# Altium PCB BC2087.PcbDoc (part 4 of 6) (continued)
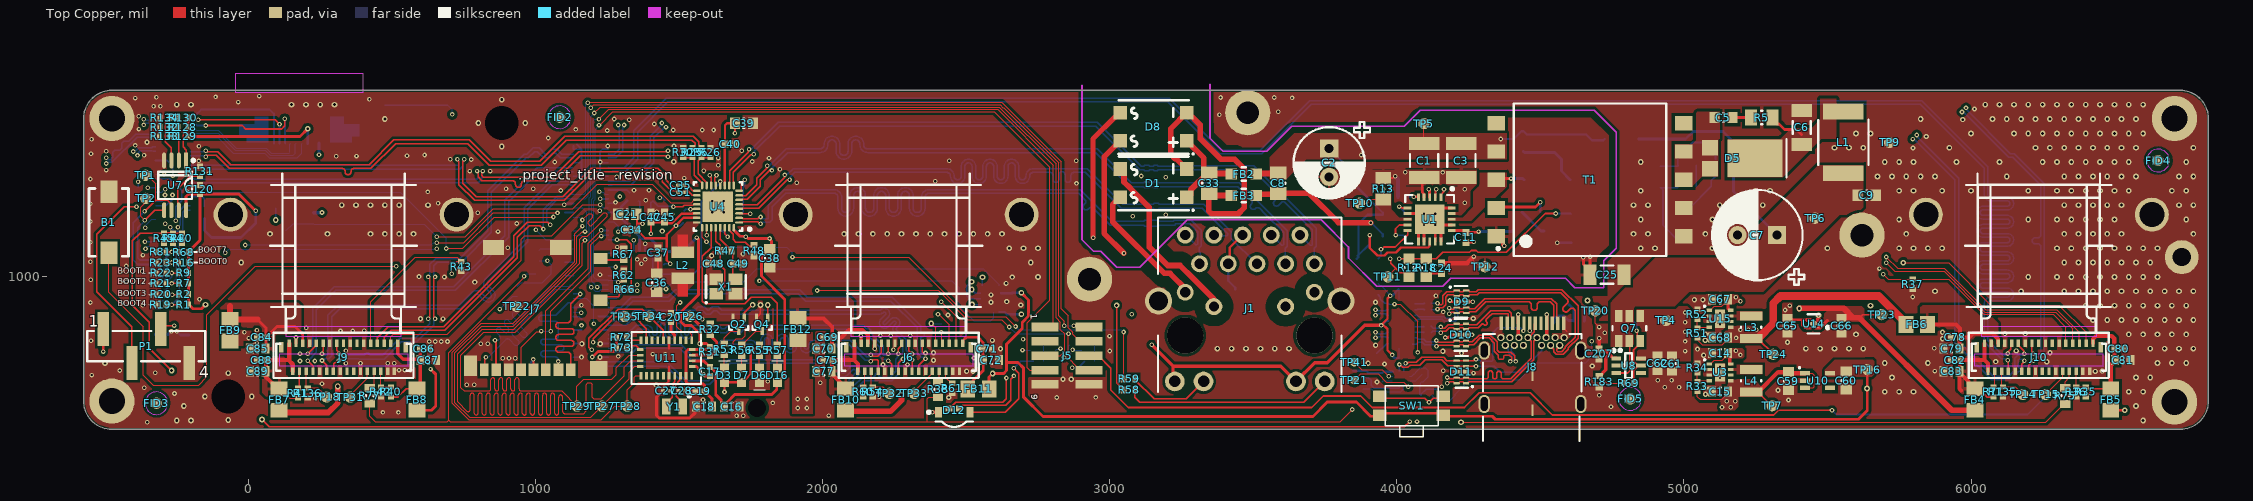
[diagram p0: Top Copper view]
## Nets (pads, with @x,y where several pads share a name; then routed paths per layer and width w, separated by ;. In a path a pad name is that pad's centre, name@x,y a point inside that pad or via, vN(x,y) a via of type N, cw(c..) or ccw(c..) an arc to the next point about the centre after c; other vN are vias at no path point) (continued)
MIPI_RX5_D0_P: J2.23 J6.17 | length 1335.6
  Top Copper w5.12: J6.17@2299.06,768.34 2299.06,743.44 v3(2311,731.5)
  Bottom Copper w5.12: J2.23@1252.95,846.46 1253.94,845.47 1266.14,845.47 1266.64,844.97 1283.5,844.97 1308.9,844.97 1347.3,883.36 1548,883.36 1554.31,883.36 1566.31,895.36 1586.9,895.36 1598.9,883.36 1603.6,883.36 1615.6,895.36 1636.2,895.36 1648.2,883.36 1686.4,883.36 2197.84,883.36 ccw(c2197.84,888.88) 2201.74,884.98 cw(c2214.68,872.04) 2227.62,884.98 cw(c2214.68,872.04) 2227.62,859.1 2211.97,843.44 ccw(c2215.84,839.52) 2211.93,835.64 ; 2211.96,835.61 ccw(c2215.84,839.52) 2219.74,835.63 2237.23,853.12 cw(c2250.18,840.18) 2263.12,853.12 cw(c2250.18,840.18) 2264.99,829.43 2264.99,829.11 2258.09,822.21 ccw(c2261.99,818.32) 2258.09,814.42 2281.27,791.25 2291.12,781.39 2291.12,744.54 2308.33,727.33 2311,730 v3(2311,731.5)
MIPI_RX5_D1_N: J2.27 J6.14 | length 1332.2
  Top Copper w5.12: J6.14@2334.79,671.88 2334.79,692.83 2357.05,715.1 v3(2358,715.1)
  Bottom Copper w5.12: J2.27@1252.95,877.95 1253.94,878.94 1266.14,878.94 1266.71,879.51 1302.34,879.51 1338.68,915.85 1465.85,915.85 1491.96,941.96 1914.96,941.96 1941.06,915.85 2237.71,915.85 2328.53,825.03 2328.53,734.01 2342.73,719.81 2353.29,719.81 v3(2358,715.1)
MIPI_RX5_D1_P: J2.29 J6.13 | length 1335.7
  Top Copper w5.12: J6.13@2346.31,768.34 2346.31,738.34 2349.57,735.08 v3(2358,735.08)
  Bottom Copper w5.12: J2.29@1252.95,893.7 1253.94,892.72 1266.14,892.72 1266.56,892.3 1297.04,892.3 1333.39,928.64 1460.55,928.64 1486.66,954.75 1920.25,954.75 1946.36,928.64 2243.01,928.64 2341.32,830.33 2341.32,813.98 2341.32,811.42 ccw(c2347.81,811.42) 2347.81,804.92 2348.03,804.92 cw(c2348.03,798.42) 2354.52,798.42 cw(c2348.03,798.42) 2348.03,791.93 2347.81,791.93 ccw(c2347.81,785.43) 2341.32,785.43 2341.32,771.65 ; 2341.32,771.17 2341.32,739.31 2348.03,732.6 2355.52,732.6 v3(2358,735.08)
MODULE_nRST: B1.2 J2.39 J5.1 Q4.1 | length 6078.9
  Top Copper w4.02: B1.2@-487,1084 -487,945.99 -367,825.99 -367,657.87 -331.78,622.64 -174.36,622.64 -145.18,651.82 -145.18,867.82 24,1037 v3(514,1037) ; v3(1220.41,1548.98) 1254.74,1583.31 2609.6,1583.31 2803.15,1389.76 2803.15,838.35 2790.2,825.39 J5.1@2774.61,825.39
  Top Copper w5: Q4.1@1808.68,859.02 v6(1808.68,902.07)
  Signal Layer 2 w4.02: v3(514,1037) 546,1069 940,1069 960.43,1089.43 1089.7,1089.43 v3(1214.57,964.57) 1243.13,936 1365,936 1374,945 1374,967 1395,988 1538.81,988 1604.81,922 1788.75,922 v6(1808.68,902.07)
  Bottom Copper w4.02: v3(1220.41,1548.98) 1205.17,1548.98 1200.07,1543.88 1200.07,1275.07 1194.74,1269.74 1194.74,984.39 v3(1214.57,964.57) 1217.81,964.57 1225.68,972.44 J2.39@1252.95,972.44
NetC4_1: C4.1 D4.1 R4.1 | length 227.5
  Bottom Copper w9.84: C4.1@4440.52,1437.01 4444.45,1433.07 4549.77,1433.07 4573.12,1409.72 4573.12,1368.66 D4.1@4603.19,1338.58
NetC5_1: C5.1 R5.1 | length 65
  Top Copper w9.84: C5.1@5169.29,1555.12 R5.1@5234.25,1555.12
NetC6_2: C6.2 D5.1 L1.1 R5.2 | length 128.9
  Top Copper w9.84: R5.2@5309.06,1555.12 5309.06,1548.23 5324.8,1532.48 5331.69,1532.48 5350.39,1513.78 5391.73,1513.78 5409.45,1496.06
NetC23_1: C23.1 U2.2 U5.2 | length 282.5
  Bottom Copper w5.91: U5.2@4917.16,1311.02 U5.2@4919.15,1311.02 ; C23.1@4980.15,1314.96 4976.21,1311.02 U5.2@4919.15,1311.02 ; U2.2@4982.25,1119.29 4982.25,1124.41 4927.03,1179.63 4927.03,1303.15 U5.2@4919.15,1311.02
NetC23_2: C23.2 R17.2 | length 72.8
  Bottom Copper w5.91: C23.2@5043.14,1314.96 R17.2@5043.14,1387.8
NetC24_2: C24.2 R18.1 | length 58.7
  Top Copper w7.87: R18.1@4102.75,1000 4115.22,1012.48 C24.2@4156.26,1012.48
NetC29_1: C29.1 Q8.3 R76.1 R78.2 | length 155.9
  Bottom Copper w10: C29.1@4546.46,840 4547.14,840.68 4547.14,853.91 4557.4,864.17 R78.2@4579.56,864.17 ; R78.2@4581.53,864.17 4585.39,860.32 4597.44,848.26 4615.88,848.26 R76.1@4617.28,846.86 ; Q8.3@4599.4,902.41 4601.37,902.41 4617.28,886.5 R76.1@4617.28,848.83
NetC30_1: C30.1 R76.2 | length 36
  Bottom Copper w10: R76.2@4652.72,846.86 4653.92,848.06 4653.92,880.69 C30.1@4655.11,881.89
NetC50_2: C50.2 J1.4 J1.5 | length 220.7
  Top Copper w7.87: J1.4@3412.6,1045.73 3417.79,1050.92 3417.79,1102.43 3461.09,1145.73 J1.5@3462.6,1145.73
  Bottom Copper w7.87: J1.4@3412.6,1045.73 3412.6,987.01 3437.01,962.6 C50.2@3437.01,956.69
NetD2_2: D2.2 R3.1 | length 104
  Bottom Copper w9.84: R3.1@4435.6,1224.41 4436.58,1225.39 4501.54,1160.43 D2.2@4512.3,1160.43
NetD12_2: D12.2 R65.2 | length 590.3
  Top Copper w5: D12.2@2440.28,541.48 2442.48,541.48 2464,563 2626.54,563 2640,576.46
  Top Copper w5.17: 2640,576.46 v3(2640,648)
  Signal Layer 4 w5.17: v3(2640,648) 2648.24,639.76 2804.41,639.76 2848.51,683.87 v3(2868.91,683.87)
  Bottom Copper w5.17: v3(2868.91,683.87) 2889.57,683.87 2912.4,706.69 R65.2@2913.39,706.69
NetD12_3: D12.3 R64.2 | length 499.8
  Top Copper w5: D12.3@2475.72,541.48 2476.7,541.48 2485.03,549.81 2485.03,550.03 2488,553 2637.5,553 2655,570.5
  Top Copper w5.17: 2655,570.5 2655,644 v3(2666,655)
  Signal Layer 4 w5.17: v3(2666,655) 2776.06,655 v3(2840.52,719.46)
  Bottom Copper w5.17: R64.2@2827.76,706.69 v3(2840.52,719.46)
NetD12_4: D12.4 R63.2 | length 382.9
  Top Copper w5: D12.4@2513.12,528.68 2636.47,528.68 2683,575.22
  Top Copper w5.17: v3(2665,682) 2683,664 2683,575.22
  Bottom Copper w5.17: v3(2665,682) 2689.69,706.69 R63.2@2734.25,706.69
NetJ2_47: J2.47 SW2.2 SW2.4 | length 1261
  Signal Layer 2 w4: v3(709.65,1565.94) 666.34,1522.64 666.34,1349.41 704.72,1311.02 765.75,1311.02 960.5,1116.28 1103.72,1116.28 1185,1035 1277.87,1035 v3(1278.31,1034.56)
  Bottom Copper w4: SW2.2@694.24,1597.46 709.65,1582.06 v3(709.65,1565.94) ; J2.47@1252.95,1035.43 1253.39,1035 1277.87,1035 v3(1278.31,1034.56)
  Bottom Copper w5: SW2.4@473.76,1597.46 SW2.2@694.24,1597.46
NetJ2_56: J2.56 R82.2 | length 121.9
  Bottom Copper w4: R82.2@1012.28,1092.43 1018.27,1098.43 J2.56@1131.69,1098.43
NetJ3_42: J3.42 R83.2 | length 1472.3
  Signal Layer 2 w4: v2(-359,1098) -334,1073 -334,1016 -314,996 -180,996 -87,903 860,903 v2(875,888)
  Bottom Copper w4: v2(-359,1098) -350.7,1106.3 J3.42@-324.02,1106.3 ; v2(875,888) 919.57,932.57 R83.2@936,932.57
NetJ3_64: J3.64 R27.1 | length 63.3
  Bottom Copper w4: R27.1@-386,1276.28 -382.76,1279.53 J3.64@-324.02,1279.53
NetJ6_6: J6.6 R61.1 | length 52.3
  Top Copper w4: J6.6@2429.28,671.88 2429.28,649.47 2449.03,629.72 R61.1@2451,629.72
NetJ6_28: J6.28 R54.1 TP32.1 | length 124.4
  Top Copper w4: R54.1@2173.99,616.89 2209.88,616.89 TP32.1@2232.28,594.49
  Top Copper w4.02: J6.28@2169.44,671.88 2169.44,621.45 R54.1@2173.99,616.89
NetJ6_30: J6.30 R60.2 | length 56.8
  Top Copper w4: R60.2@2141.46,616.89 2145.81,621.25 J6.30@2145.81,671.88
NetJ9_28: J9.28 R136.1 TP18.1 | length 139.5
  Top Copper w4: R136.1@206.21,613.19 240.3,613.19 TP18.1@271.8,581.69
  Top Copper w4.02: J9.28@200.93,671.88 200.93,618.46 R136.1@206.21,613.19
NetJ9_30: J9.30 R41.1 | length 60.6
  Top Copper w5: R41.1@172.6,613.19 177.31,617.9 J9.30@177.31,671.88
NetJ10_28: J10.28 R135.1 TP14.1 | length 137.6
  Top Copper w4: J10.28@6106.44,671.88 6106.44,621.87 R135.1@6111.19,617.13 6154.53,617.13 TP14.1@6181.1,590.55
NetJ10_30: J10.30 R71.1 | length 56.4
  Top Copper w4: R71.1@6078.82,617.13 6082.82,621.12 J10.30@6082.82,671.88
NetL3_1: L3.1 U15.7
NetL4_1: L4.1 U3.7
NetQ2_3: Q2.3 R53.1 | length 79.4
  Top Copper w4: R53.1@1657.48,767.72 1657.48,788.11 1680.35,810.98 Q2.3@1707,810.98
NetQ3_3: Q3.3 R63.1 | length 57.5
  Bottom Copper w4.02: R63.1@2769.68,706.69 2770.67,707.68 Q3.3@2770.67,763.78
NetQ4_3: Q4.3 R56.1 | length 90.9
  Top Copper w4: R56.1@1717.63,763.78 1726.45,772.61 1728.61,772.61 1766.98,810.98 Q4.3@1789,810.98
NetQ5_3: Q5.3 R64.1 | length 61.4
  Bottom Copper w4.02: Q5.3@2859.65,763.78 2856.24,760.38 2856.24,740.07 2863.19,733.13 R64.1@2863.19,706.69
NetQ6_3: Q6.3 R65.1 | length 58.5
  Bottom Copper w4.02: R65.1@2946.85,706.69 2946.85,760.43 Q6.3@2950.2,763.78
NetQ7_3: Q7.3 R69.1 TP17.1 U8.5 | length 281.3
  Top Copper w6: R69.1@4824.8,630.39 4824.8,675.2 U8.5@4840.55,690.94 ; v5(4835.05,812.65) 4835.05,809.95 4837.65,807.35 4837.65,787.35 Q7.3@4847.44,777.56 4847.44,769.49 4824.65,746.69 4824.65,706.85 U8.5@4840.55,690.94 ; U8.5@4850.39,690.94 U8.5@4840.55,690.94
  Bottom Copper w6: TP17.1@4806.1,862.2 4835.05,833.26 v5(4835.05,812.65)
NetR3_2: R3.2 T1.2 | length 192.4
  Top Copper w9.84: T1.2@4347.01,1242.13 4350.95,1242.13 4352.92,1244.09 4483.14,1244.09 4498.89,1259.84 v3(4499.57,1259.84)
  Bottom Copper w9.84: R3.2@4499.57,1227.36 v3(4499.57,1259.84)
NetR14_1: R14.1 R15.2 R17.1 U5.1 | length 304.8
  Bottom Copper w5.91: U5.1@4917.16,1385.83 4978.18,1385.83 R17.1@4980.15,1387.8 4978.97,1388.98 4978.97,1416.34 5031.13,1468.5 R14.1@5110.24,1468.5 R15.2@5110.24,1409.45
NetR24_1: R24.1 U2.1 | length 193.8
  Bottom Copper w5.91: U2.1@4982.25,1219.29 5001,1238.04 5017.57,1238.04 5095.47,1315.94 5095.47,1335.63 R24.1@5110.24,1350.39
NetR33_1: R33.1 R34.2 U3.4 | length 71.3
  Top Copper w4: R34.2@5047.24,665.26 R33.1@5047.24,636.13 5049.21,638.1 U3.4@5088.58,638.1
NetR38_1: R38.1 R39.1 R75.1 R77.1 | length 6802.3
  Top Copper w4: R77.1@422.01,558.57 422.01,514.99 442.07,494.93 691.4,494.93 696.85,500.38 ; v3(959.72,1002.07) 959.72,999.09 696.85,736.22 696.85,500.38 ; R38.1@2402,580.93 2401.64,580.57 2369.93,580.57 2364.32,574.96 2364.32,494.93 ; v7(3845,538) 3801.93,494.93 2364.32,494.93 ; v6(4223.14,493.93) 4223.14,493 6259.6,493 6324.51,557.91 R75.1@6328.45,557.91 ; 696.85,500.38 702.3,494.93 2364.32,494.93
  Signal Layer 2 w4: v2(4070,496) 4072.07,493.93 v6(4223.14,493.93)
  Signal Layer 4 w5: v7(3845,538) 4028,538 v2(4070,496)
  Bottom Copper w4: v3(959.72,1002.07) 959.72,1002.91 968.62,1011.81 R39.1@1000,1011.81
NetR48_2: R48.2 U4.31 | length 130.8
  Top Copper w5: U4.31@1674.51,1171.22 1674.51,1162.02 1688.22,1148.31 1688.22,1130.96 1697.89,1121.29 1729.74,1121.29 1744.71,1106.32 1753.75,1106.32 1758.65,1111.22 R48.2@1760.83,1111.22
NetR50_1: R50.1 U6.6 | length 53.8
  Bottom Copper w5: R50.1@1357.87,1266.18 1362.09,1261.97 U6.6@1362.09,1214.17
NetR51_1: R51.1 R52.2 U15.4 | length 72.2
  Top Copper w4: R52.2@5047.24,851.97 R51.1@5047.24,822.16 5049.89,824.8 U15.4@5088.58,824.8
NetR128_1: R128.1 R132.2 U7.1 | length 155.6
  Top Copper w5: R132.2@-273.84,1521.62 R128.1@-246.28,1521.62 -246.28,1519.66 -228.35,1501.72 -228.35,1452.76 -217.52,1441.93 U7.1@-217.52,1405.51
NetR129_1: R129.1 R133.2 U7.2 | length 112.9
  Top Copper w5: R133.2@-274.61,1489.17 R129.1@-247.05,1489.17 -243.11,1485.24 U7.2@-243.11,1405.51
NetR130_1: R130.1 R134.2 U7.3 | length 193.1
  Top Copper w5: U7.3@-268.7,1405.51 -268.7,1449.35 -289.96,1470.61 -289.96,1538 -281.95,1546.02 -279.98,1546.02 -273.62,1552.38 R134.2@-273.62,1554.35 R130.1@-246.06,1554.35
NetR131_2: R131.2 U7.7 | length 170.8
  Top Copper w5: U7.7@-243.11,1232.28 -244.79,1233.96 -244.79,1259 -246.06,1260.27 -246.06,1307.44 -203.35,1350.16 R131.2@-169.29,1350.16
NetR185_1: R185.1 U61.2 | length 57.9
  Bottom Copper w5: R185.1@3928.58,733.36 3930.55,733.36 3962.78,765.58 3965.2,768.01 U61.2@3972.09,768.01
NetR186_1: R186.1 TP41.1 U61.9 U62.11 | length 588.3
  Top Copper w4: TP41.1@3852,703 3877.69,677.31 3948.51,677.31 v3(3972.18,653.64) ; v3(3991.7,905.48) 4012.46,905.48 4072.84,845.1 v3(4072.84,736.91)
  Signal Layer 2 w4: v3(3972.18,653.64) 4004.39,653.64 4072.84,722.09 v3(4072.84,736.91)
  Bottom Copper w4: U61.9@3972.09,905.8 3972.25,905.64 3991.54,905.64 v3(3991.7,905.48) ; v3(3972.18,653.64) 3972.27,653.74 3986.12,653.74 U62.11@3986.22,653.83
  Bottom Copper w5: R186.1@3933.54,937.89 3934.55,937.89 3942.87,929.57 3942.87,922.99 3957.69,908.17 3969.72,908.17 U61.9@3972.09,905.8
NetR213_1: R213.1 U62.7 | length 160.3
  Bottom Copper w4.02: R213.1@3882.34,608.16 3884.43,610.25 3910.76,610.25 3920.43,600.58 4013.31,600.58 4018.63,605.9 4018.63,606.24 4020.98,608.59 4021.69,608.59 4023.62,610.52 U62.7@4023.62,620.37
NetR214_1: R214.1 U62.8 | length 158.8
  Bottom Copper w5: R214.1@3882.34,649.5 3900.66,649.5 3910.7,639.47 3910.7,622.35 3921.15,611.9 4006.44,611.9 4007.87,613.33 U62.8@4007.87,620.37
NetTP21_1: TP21.1 U62.6 | length 222.8
  Top Copper w4.02: TP21.1@3852.06,639.85 TP21.1@3852.21,640 3874.21,662 3935.39,662 3963.53,633.86 4023.26,633.86 v5(4039.56,617.56)
  Bottom Copper w4.02: v5(4039.56,617.56) 4040.5,617.56 U62.6@4045.27,622.33
NetTP25_1: TP25.1 U62.5 | length 53.4
  Bottom Copper w4.02: U62.5@4045.27,638.08 4065.95,638.08 TP25.1@4089.11,661.24
nRST_LED: D7.1 R56.2 | length 42.3
  Top Copper w4: D7.1@1717.63,682.09 R56.2@1717.63,724.41
PCIE_1V0: C36.2 C37.2 C42.2 C43.2 C44.2 C45.2 C46.2 C47.2 L2.2 U4.3 U4.8 U4.22 U4.30 | length 585.1
  Top Copper w5: U4.30@1658.76,1171.22 1658.76,1150.03 v3(1668.55,1140.24) ; U4.3@1708.96,1221.42 1709.51,1220.87 1746.91,1220.87 v3(1748.03,1219.75) ; U4.8@1708.96,1300.16 1714.97,1300.16 1716.3,1301.49 1716.3,1325.88 1728.35,1337.92 v3(1728.35,1338.58)
  Top Copper w7.87: C47.2@1401.1,1190.74 C47.2@1401.18,1190.66 ; v3(1401.57,1150.85) 1401.57,1190.27 C47.2@1401.18,1190.66 ; C36.2@1422.03,1011.37 1426.4,1015.74 C37.2@1426.4,1065.94 ; U4.22@1561.32,1221.42 1547.45,1221.42 1545.97,1219.93 1507.76,1219.93 1475.13,1187.29 1452.49,1187.29 C45.2@1449.12,1190.66 C47.2@1401.18,1190.66
  Bottom Copper w5: C44.2@1640.96,1169.33 1668.55,1141.73 v3(1668.55,1140.24) ; v3(1728.35,1338.58) 1728.35,1318.98 1723.52,1314.15 C46.2@1723.52,1267.39 C43.2@1723.52,1218.1 1725.17,1219.75 v3(1748.03,1219.75)
  other v3: 1368.41,1046 1354.33,1060.94 1381.89,1060.94
PCIe_CLKREQ_N_1V8: J3.65 U6.4 | length 1775.2
  Top Copper w4.02: v3(688.52,1099) 746.33,1099 855.99,1208.66 v3(1062.01,1208.66)
  Signal Layer 2 w4.02: v3(1062.01,1208.66) 1063.12,1207.55 1083,1207.55 1099.45,1224 1181.89,1224 1205.25,1200.65 1268.04,1200.65 v3(1341.25,1127.43)
  Bottom Copper w4.02: J3.65@-202.76,1295.28 528.72,1295.28 688.52,1135.48 v3(688.52,1099)
  Bottom Copper w6: v3(1341.25,1127.43) 1341.83,1126.85 1341.83,1092.69 U6.4@1342.4,1092.12
PCIe_CLKREQ_N_3V3: R46.2 U4.12 U6.1 | length 596
  Top Copper w5: v3(1642.72,1332.68) 1642.72,1319.16 U4.12@1643.01,1318.86
  Bottom Copper w5: U6.1@1401.46,1092.12 1401.46,1082.28 1407.36,1076.37 R46.2@1407.36,1042.91 1407.36,1019.64 1417,1010 1549,1010 1576.22,1037.22 1576.22,1262.22 1638.74,1324.74 1638.74,1325.73 1642.72,1329.7 v3(1642.72,1332.68)
PCIe_ISOLATE_N_1V8: R27.2 U6.5 | length 1929.4
  Top Copper w4.02: v3(655.51,1119.09) 749.09,1119.09 852.8,1222.8 v3(1076.15,1222.8)
  Signal Layer 2 w4.02: v3(1076.15,1222.8) 1086.25,1232.9 1185.1,1232.9 1209.34,1208.66 1311.53,1208.66 v3(1320.98,1218.1)
  Signal Layer 4 w4.02: v3(-384.91,1332) -383.84,1330.93 -383.84,1290.57 -343.27,1250 -209,1250 -70.22,1111.22 v3(-11.81,1111.22)
  Bottom Copper w4.02: v3(-11.81,1111.22) 636.81,1111.22 644.2,1118.61 655.02,1118.61 v3(655.51,1119.09)
  Bottom Copper w5: R27.2@-386,1311.72 -384.91,1312.81 v3(-384.91,1332) ; v3(1320.98,1218.1) 1338.99,1218.1 1342.4,1214.7 U6.5@1342.4,1214.17
PCIe_ISOLATE_N_3V3: R49.2 U4.20 U6.8 | length 225.7
  Top Copper w5: v3(1480.02,1244.86) 1512.82,1244.86 1518.31,1250.35 1548.14,1250.35 1550.7,1252.91 U4.20@1561.32,1252.91
  Bottom Copper w5: U6.8@1401.46,1214.17 1401.46,1258.19 R49.2@1409.45,1266.18 1409.45,1264.21 1426.78,1246.89 1472.98,1246.89 1477.04,1250.95 1477.04,1250.81 1480.02,1247.83 v3(1480.02,1244.86)
PCIe_PERST_1V8: J3.68 Q1.1 | length 573.1
  Signal Layer 4 w5: v2(-350.88,1311.02) -334,1327.9 -35.9,1327.9 93.47,1198.53 v6(94.53,1198.53)
  Bottom Copper w6: v2(-350.88,1311.02) J3.68@-324.02,1311.02 ; v6(94.53,1198.53) Q1.1@94.53,1238.74
PCIe_PERST_N_3V3: Q1.3 R28.2 U4.19 | length 1566.8
  Top Copper w4.02: v3(655.51,1139.76) 754.23,1139.76 851.46,1237 1129.01,1237 1214.84,1322.83 1406.03,1322.83 1470,1258.86 1543.36,1258.86 1549.55,1265.05 1549.55,1265.69 1552.52,1268.66 U4.19@1561.32,1268.66
  Bottom Copper w4.02: Q1.3@131.93,1159.99 131.93,1161.96 155,1185.04 224.99,1185.04 R28.2@226.42,1183.62 226.86,1184.06 611.22,1184.06 v3(655.51,1139.76)
PCIe_ROOT_PERST_1V8: J3.63 R79.2 | length 79.9
  Bottom Copper w5: J3.63@-202.76,1279.53 -161.96,1279.53 -155,1272.56 -155,1244.69 R79.2@-154,1243.69
PCIe_WAKE_N: R29.2 U4.21 | length 49.9
  Top Copper w5: v3(1539.37,1235.86) 1540.13,1236.62 1560.77,1236.62 U4.21@1561.32,1237.17
  Bottom Copper w5: R29.2@1515.75,1228.35 1524.07,1236.67 1524.89,1235.86 v3(1539.37,1235.86)
PG_LED: D3.1 R53.2 | length 46.3
  Top Copper w4: D3.1@1657.48,682.09 R53.2@1657.48,728.35
RCL: R10.2 U1.9 | length 101.7
  Top Copper w5.91: v3(3996.61,1145.67) 3995.09,1147.19 3995.09,1168.19 4008,1181.1 U1.9@4037.53,1181.1
  Bottom Copper w5.91: v3(3996.61,1145.67) 4021.78,1145.67 R10.2@4025.72,1141.73
RDET: R11.2 U1.6 | length 67.4
  Top Copper w5.91: v3(4008,1245.08) 4011.82,1245.08 4016.74,1240.16 U1.6@4037.53,1240.16
  Bottom Copper w5.91: v3(4008,1245.08) 4025.72,1227.36 R11.2@4025.72,1216.54
REGOUT: L2.1 U4.24
RXB_N: D10.4 D10.7 J8.B10 U61.18 | length 510.3
  Top Copper w5.12: v3(4137.89,778.43) 4143.59,772.72 4195.62,772.72 4199.41,776.51 4199.41,776.86 4200.79,778.23 D10.4@4207.97,778.23 4215.16,778.23 4216.54,776.86 4216.54,776.51 4219.53,773.51 4229.29,773.51 4232.28,776.51 4232.28,776.86 4233.66,778.23 D10.7@4240.85,778.23 4248.03,778.23 4249.41,776.86 4249.41,776.51 4252.41,773.51 4262.97,773.51 4286.92,797.46 4325.96,797.46 4349.8,773.62 4349.8,744.97 4356.92,737.86 4396.51,737.86 4409.84,724.53 4409.84,710.38 v2(4414.62,705.6)
  Bottom Copper w5.12: U61.18@4062.64,787.69 4069.53,787.69 4074.25,782.97 4093.35,782.97 4102.02,774.31 4133.77,774.31 v3(4137.89,778.43) ; J8.B10@4409.45,761.31 4409.45,758.71 4398.82,748.08 4398.82,741.25 4409.74,730.33 4409.74,710.48 v2(4414.62,705.6)
RXB_P: D10.5 D10.6 J8.B11 U61.19 | length 525.1
  Top Copper w5.12: v3(4137.98,758.44) 4142.03,762.49 4196.85,762.49 4199.85,759.49 4216.1,759.49 4216.54,759.93 4216.54,760.28 4219.53,763.27 4229.29,763.27 4232.28,760.28 4232.28,759.93 4233.66,758.55 D10.6@4240.85,758.55 4248.03,758.55 4249.41,759.93 4249.41,760.28 4252.41,763.27 4267.21,763.27 4291.16,787.23 4321.72,787.23 4339.57,769.38 4339.57,740.73 4352.68,727.63 4352.68,716.49 4355.67,713.49 4369.99,713.49 4373.12,716.62 4373.12,724.63 4376.12,727.63 4392.27,727.63 4399.61,720.29 4399.61,710.59 v2(4394.62,705.6)
  Bottom Copper w5.12: U61.19@4053.16,765.64 4067.17,765.64 4074.25,772.73 4089.11,772.73 4097.78,764.07 4132.36,764.07 v3(4137.98,758.44) ; J8.B11@4377.95,761.31 4377.95,758.71 4388.58,748.08 4388.58,737.01 4399.5,726.09 4399.5,710.48 v2(4394.62,705.6)
RXC_N: D9.5 D9.6 J8.A10 U61.14 | length 684.4
  Top Copper w5.12: v3(4183,871.57) 4188.84,877.42 4198.44,877.42 4201.84,874.02 D9.5@4209.02,874.02 4216.21,874.02 4217.59,875.39 4217.59,875.74 4220.58,878.74 4230.33,878.74 4233.33,875.74 4233.33,875.39 4234.71,874.02 D9.6@4241.9,874.02 4249.08,874.02 4250.46,875.39 4250.46,875.74 4253.46,878.74 4275.45,878.74 4310.1,913.39 4434.45,913.39 4457.88,913.39 cw(c4457.88,902.95) 4468.31,902.95 4468.31,893.61 ccw(c4478.74,893.61) 4478.74,883.18 ccw(c4478.74,893.61) 4489.18,893.61 4489.18,902.95 cw(c4499.61,902.95) 4499.61,913.39 4513.78,913.39 4534.25,913.39 4546.06,901.57 4546.06,860.53 4541.34,855.8 J8.A10@4541.34,838.08
  Bottom Copper w5.12: U61.14@4062.64,866.43 4069.53,866.43 4074.05,861.9 4163.16,861.9 4169.29,855.78 4199.36,855.78 4202.36,858.77 4202.36,874.25 4199.36,877.24 4188.67,877.24 v3(4183,871.57)
RXC_P: D9.4 D9.7 J8.A11 U61.15 | length 693.9
  Top Copper w5.12: v3(4183,891.56) 4186.91,887.65 4198.12,887.65 4200.46,889.99 4200.46,892.32 4201.84,893.7 D9.4@4209.02,893.7 4216.21,893.7 4217.59,892.32 4217.59,891.97 4220.58,888.98 4230.33,888.98 4233.33,891.97 4233.33,892.32 4234.71,893.7 D9.7@4241.9,893.7 4249.08,893.7 4250.46,892.32 4250.46,891.97 4253.46,888.98 4271.21,888.98 4305.86,923.62 4538.49,923.62 4556.3,905.81 4556.3,860.53 4561.02,855.8 J8.A11@4561.02,838.08
  Bottom Copper w5.12: U61.15@4062.64,846.75 4069.53,846.75 4074.45,851.67 4158.92,851.67 4165.05,845.54 4203.6,845.54 4212.6,854.53 4212.6,878.49 4203.6,887.48 4187.08,887.48 v3(4183,891.56)
sd_hst0_clk: J2.61 J7.5 | length 639.6
  Top Copper w4.02: J7.5@949.04,676.18 949.04,755.51 1003.03,809.5 1017.77,809.5 v3(1019.68,811.42) ; v3(1052.38,811.02) 1052.38,880.88 1192,1020.5 1192,1111.75 1222.56,1142.31 v3(1228.35,1142.31)
  Bottom Copper w4.02: v3@1019.88,811.22 v3@1052.19,811.22
  Bottom Copper w6: v3(1019.68,811.42) v3@1019.88,811.22 ; v3@1052.19,811.22 v3(1052.38,811.02) ; v3(1228.35,1142.31) 1231.05,1142.31 1233.87,1145.13 1252.41,1145.13 J2.61@1252.95,1145.67
sd_hst0_cmd: J2.63 J7.3 | length 591.1
  Top Copper w4.02: J7.3@1035.65,676.18 1035.65,881.65 1183.81,1029.81 1183.81,1117.88 1226.43,1160.51 v3(1228.35,1162.42)
  Bottom Copper w6: v3(1228.35,1162.42) 1228.85,1161.92 1252.45,1161.92 J2.63@1252.95,1161.42
sd_hst0_dat_0: J2.40 J7.7 | length 614.7
  Top Copper w6: v3(858.27,779.53) 858.27,776.82 862.2,772.88 862.2,676.4 J7.7@862.42,676.18
  Bottom Copper w4.02: v3(858.27,779.53) 858.38,779.64 870.19,779.64 872.33,781.77 873.75,783.19 ccw(c866.76,790.18) 873.75,797.17 864.86,806.06 cw(c871.84,813.05) 864.86,820.03 cw(c871.84,813.05) 878.83,820.03 889.93,808.94 ccw(c896.91,815.93) 903.9,808.94 ccw(c896.91,815.93) 903.9,822.91 892.81,834.01 cw(c899.79,841) 892.81,847.98 cw(c899.79,841) 906.78,847.98 917.88,836.89 ccw(c924.86,843.88) 931.85,836.89 ccw(c924.86,843.88) 931.85,850.86 920.76,861.96 cw(c927.74,868.95) 920.76,875.93 cw(c927.74,868.95) 934.73,875.93 943.62,867.04 ccw(c950.61,874.03) 957.6,867.04 971.27,880.72 1057.79,967.24 1117.4,967.24 1120.91,970.75 1120.91,971.9 1121.46,972.44 J2.40@1131.69,972.44
sd_hst0_dat_1: J2.38 J7.8 | length 600.7
  Top Copper w6: J7.8@821.09,676.18 822.83,677.93 822.83,713.83 826.77,717.77 v3(826.77,720.47)
  Bottom Copper w4.02: v3(826.77,720.47) 828.74,722.44 836.61,722.44 879.94,765.77 895.34,781.16 cw(c902.32,774.18) 909.31,781.16 926.12,764.36 ccw(c933.1,771.35) 940.09,764.36 ccw(c933.1,771.35) 940.09,778.33 919.35,799.08 cw(c926.34,806.06) 919.35,813.05 cw(c926.34,806.06) 933.32,813.05 954.07,792.31 ccw(c961.05,799.3) 968.04,792.31 ccw(c961.05,799.3) 968.04,806.28 951.24,823.09 cw(c958.22,830.08) 951.24,837.06 970.47,856.3 1070.87,956.69 J2.38@1131.69,956.69
sd_hst0_dat_2: J2.36 J7.1 | length 607.5
  Top Copper w5: J7.1@1122.27,676.18 1122.27,724.41 1122.27,726.91 ccw(c1111.89,726.91) 1111.89,737.28 1080.44,737.28 cw(c1080.44,747.66) 1080.44,758.03 1123.24,758.03 ccw(c1123.24,768.41) 1123.24,778.78 1080.44,778.78 cw(c1080.44,789.15) 1080.44,799.53 1123.24,799.53 ccw(c1123.24,809.9) 1123.24,820.28 1080.44,820.28 cw(c1080.44,830.65) 1080.44,841.02 1111.89,841.02 ccw(c1111.89,851.4) 1122.27,851.4 1122.27,880.93 1122.27,906.94 v3(1155.72,940.39)
  Bottom Copper w5: J2.36@1131.69,940.94 1131.97,940.67 1155.44,940.67 v3(1155.72,940.39)
sd_hst0_dat_3: J2.32 J7.2 | length 628.6
  Top Copper w5: v3(1078.74,705.71) 1078.74,676.4 J7.2@1078.96,676.18
  Bottom Copper w5: v3(1078.74,705.71) 1078.74,708.6 1078.74,711.1 ccw(c1068.37,711.1) 1068.37,721.48 1028.58,721.48 cw(c1028.58,731.85) 1028.58,742.23 1088.05,742.23 ccw(c1088.05,752.6) 1088.05,762.97 1028.58,762.97 cw(c1028.58,773.35) 1028.58,783.72 1068.37,783.72 ccw(c1068.37,794.1) 1078.74,794.1 1078.74,812.73 1078.74,832.14 1078.74,834.64 ccw(c1068.37,834.64) 1068.37,845.02 1021.2,845.02 cw(c1021.2,855.39) 1021.2,865.76 1065.21,865.76 ccw(c1065.21,876.14) 1072.54,868.8 1098.43,894.68 1113.19,909.45 J2.32@1131.69,909.45
SDS_RXD1_N: C51.2 U4.18 | length 53.1
  Top Copper w5.12: C51.2@1517.18,1295.24 1517.97,1295.24 1523.39,1300.65 1529.34,1300.65 1545.58,1284.41 U4.18@1561.32,1284.41
SDS_RXD1_P: C35.2 U4.17 | length 51.9
  Top Copper w5.12: C35.2@1517.18,1318.86 1517.97,1318.86 1523.39,1313.44 1534.64,1313.44 1547.92,1300.16 U4.17@1561.32,1300.16
SDS_RXD_N: C51.1 J3.77 | length 1910.7
  Top Copper w5.12: v3(727.57,1409.45) 727.57,1406.51 732.93,1401.15 732.93,1371.86 732.93,1321.47 787.19,1267.21 1100,1267.21 1198.93,1366.14 1420.06,1366.14 1441.33,1344.88 1441.33,1331.92 1472.59,1300.65 1488.93,1300.65 1494.35,1295.24 C51.1@1495.14,1295.24
  Bottom Copper w5.12: J3.77@-202.76,1389.76 -201.77,1388.78 -189.57,1388.78 -189.07,1388.28 729.93,1388.28 732.93,1391.28 732.93,1404.09 v3(727.57,1409.45)
SDS_RXD_P: C35.1 J3.75 | length 1907.8
  Top Copper w5.12: v3@751.07,1406.51 745.72,1401.15 745.72,1366.56 745.72,1326.77 792.49,1280 1094.7,1280 1193.63,1378.93 1425.36,1378.93 1454.12,1350.17 1454.12,1337.22 1477.89,1313.44 1488.93,1313.44 1494.35,1318.86 C35.1@1495.14,1318.86
  Bottom Copper w5.12: J3.75@-202.76,1374.02 -201.77,1375 -189.57,1375 -189.07,1375.49 735.23,1375.49 745.72,1385.99 745.72,1404.09 v3(751.07,1409.45)
SDS_TXD_N: J3.71 U4.14 | length 2006.5
  Top Copper w5.12: v2(796,1368.72) 799.63,1365.09 799.63,1348.17 812.84,1334.96 882.87,1334.96 919.29,1334.96 cw(c919.29,1324.52) 929.72,1324.52 929.72,1321.92 ccw(c940.16,1321.92) 940.16,1311.49 ccw(c940.16,1321.92) 950.59,1321.92 950.59,1324.52 cw(c961.02,1324.52) 961.02,1334.96 963.58,1334.96 1067.24,1334.96 1154.75,1422.47 1457.55,1422.47 v3(1461,1419.02) ; v3(1606.3,1354.33) 1606.3,1351.39 1611.71,1345.97 1611.71,1319.05 U4.14@1611.52,1318.86
  Signal Layer 2 w5.12: v3(1461,1419.02) 1463.03,1421.04 1560.16,1421.04 1610.29,1370.91 1610.29,1358.32 v3(1606.3,1354.33)
  Bottom Copper w5.12: J3.71@-202.76,1342.52 -201.77,1341.54 -189.57,1341.54 -189.07,1341.04 293.47,1341.04 793.95,1341.04 799.21,1346.3 v2@799.21,1365.51